# Allegro board FEE5_10_30.brd (continued)
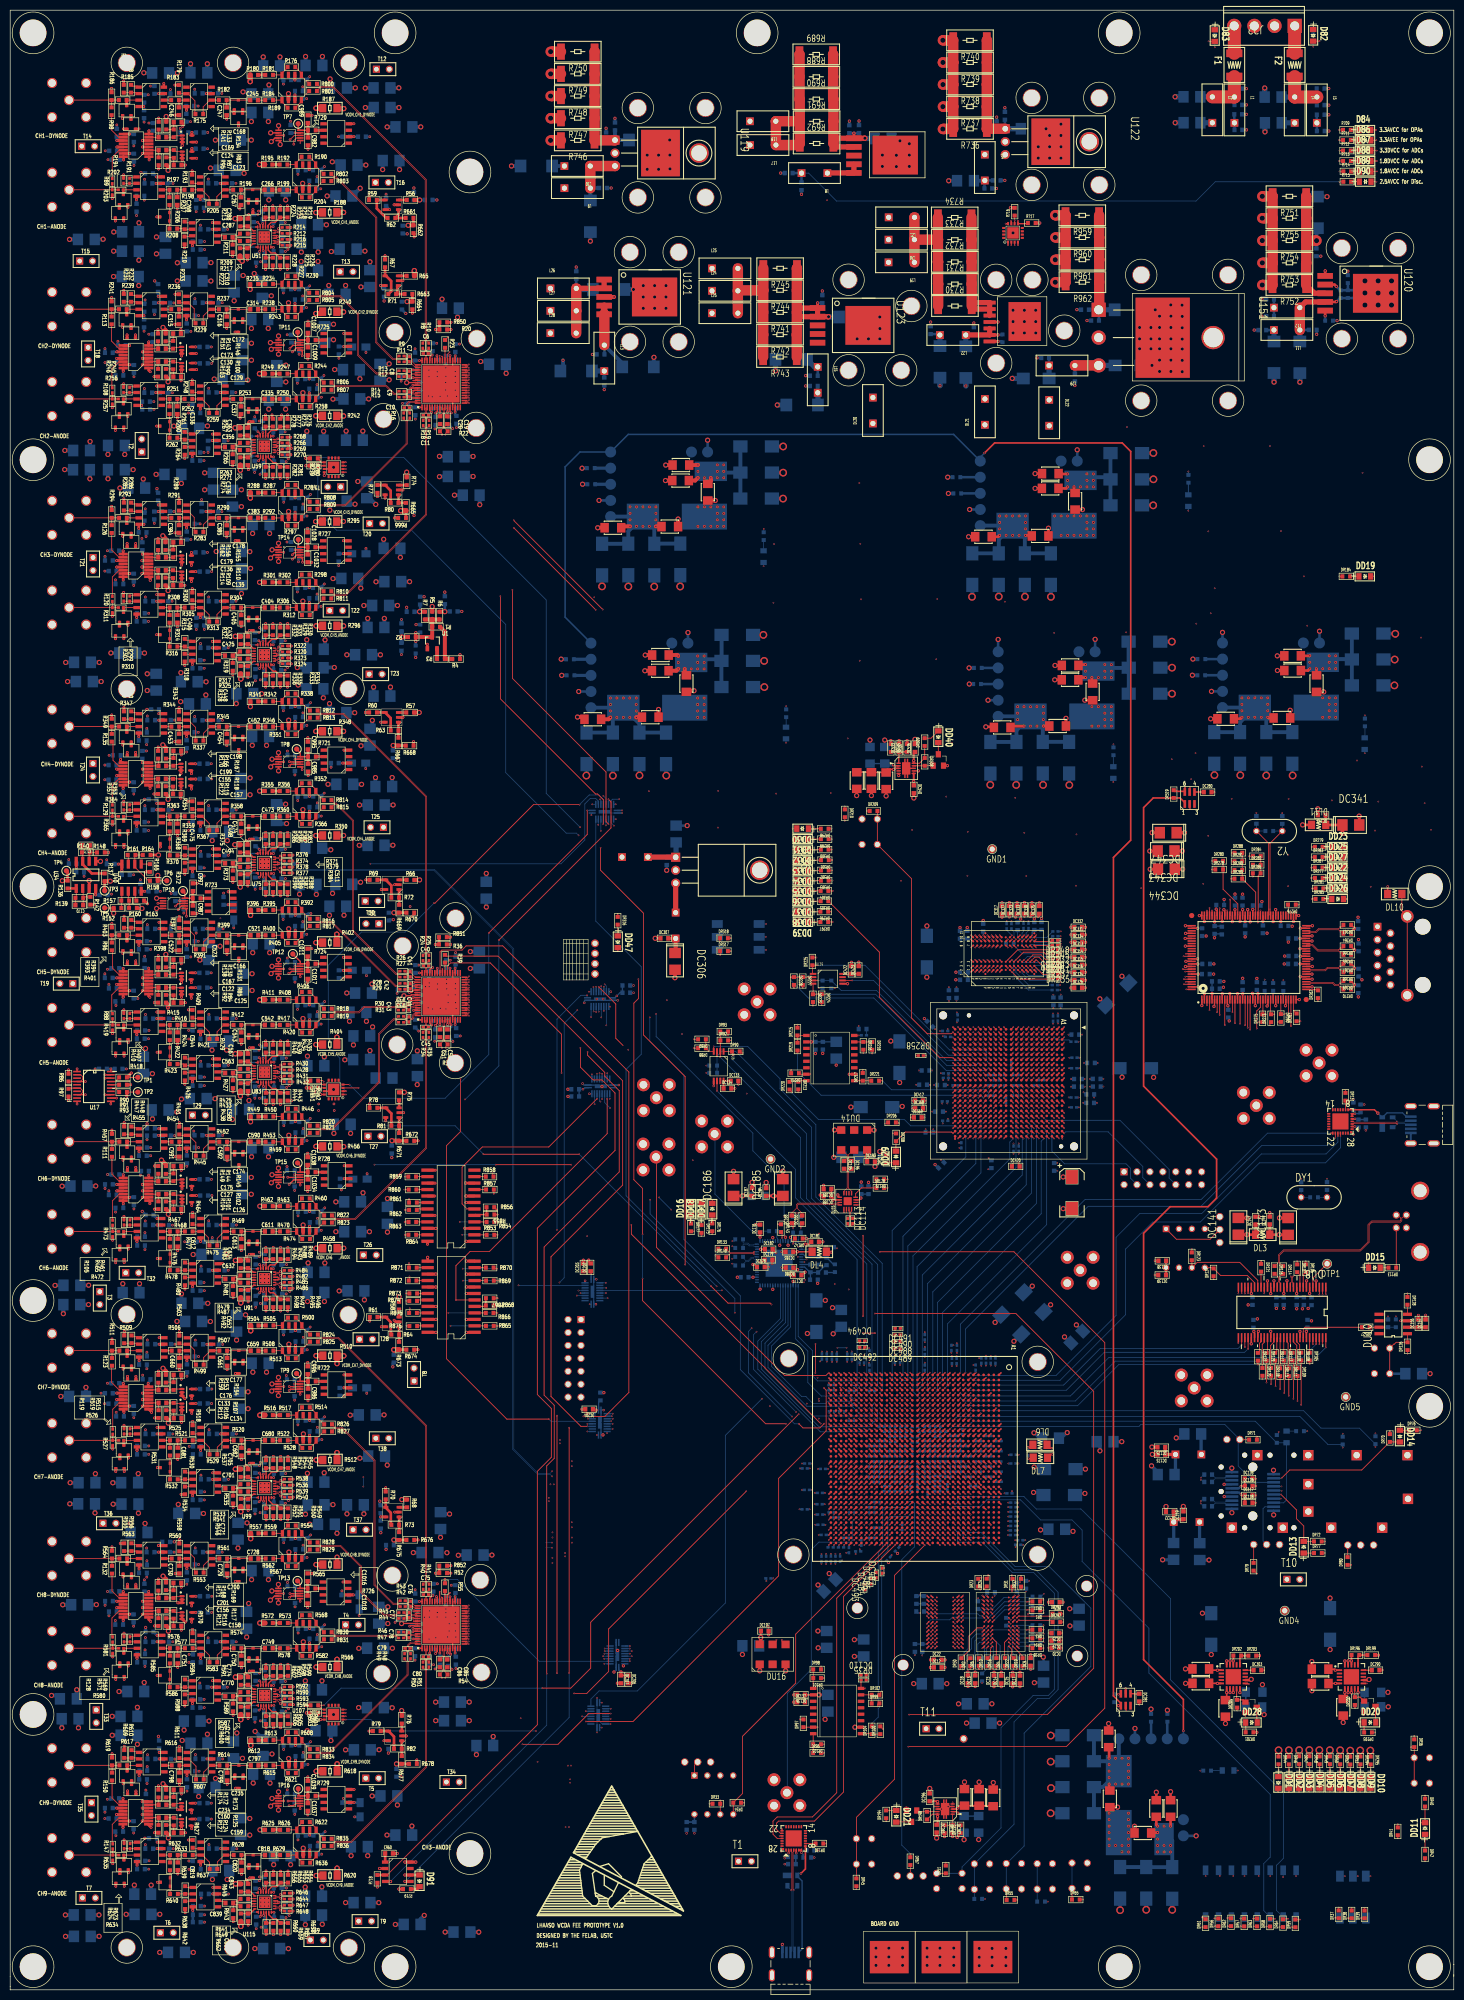
[diagram p0: board, top side]
## Routing (per net, layer and track width the routed paths; a pad name or vN(x,y) marks a point on that pad's centre or on a via; arc(x,y) is an arc through that point) (continued)
C205.1 ; C323.2 v3(32.17,331.24) ; C46.1 v3(86.03,193.86) ; DU26.7 v5(115.67,292.46) ; C571.2 v3(48.87,184.5) ; C792.2 v3(26.03,120.7) ; C1013.2 v3(64.58,320.37) ; C61.1 80.28,201.22 v3(80.29,201.22) ; C935.2 v8(116.7,314.22) ; C60.1 v3(82.33,197.71) ; C709.2 v3(38.16,96.2) ; C776.2 v3(38.1,57.04) ; C637.2 v3(48.95,143.96) ; C979.1 v3(31.61,215.3) ; C218.1 v3(18.61,34.87) ; C348.2 v3(35.04,309.63) ; C149.1 v3(39.63,155.96) ; C342.2 v3(39,314.49) ; C470.2 v3(26.8,244.5) ; C640.2 v3(38.09,138.89) ; C386.2 v3(37.6,292.61) ; C492.2 v3(27.17,227.66) ; C755.2 v3(38.88,69.11) ; C226.1 v3(27.25,366.57) ; C422.2 v3(27.21,270.31) ; C388.2 v3(57.51,291.76) ; C844.2 v3(48.97,21.42) ; C782.2 v3(49.12,52.81) ; C103.1 v3(85.92,69.29) ; C154.1 v3(39.62,77.29) ; C496.2 v3(37.43,223.57) ; C641.2 v3(38.15,137.29) ; C456.2 v3(36.24,250.03) ; C301.2 v3(54.03,347.04) ; v5(183.99,60.12) 183.79,60.12 183.79,60.12 DC11.2 ; C620.2 v3(56.54,151.98) ; C434.2 v3(49.12,257.23) ; C249.2 v3(41.59,372.39) ; C998.1 v3(55.94,197.87) ; C261.2 v3(35.43,366.83) ; v3(83.18,63.84) 82.35,63.84 C102.1 ; C737.2 v3(26.8,86.76) ; C62.1 v3(81.57,196.99) ; C229.1 v3(18.62,319.54) ; C322.2 v3(28.33,328.93) ; C270.2 v3(60.28,356.05) ; C756.2 v3(44.41,68.33) ; C689.2 v3(56.52,110.93) ; C633.2 v3(37.5,142.12) ; C295.2 v3(48.66,348.64) ; C765.2 v3(31.95,68.34) ; C614.2 v3(60.38,151.51) ; C263.2 v3(58.84,375.67) ; C1004.1 v3(56.75,321.16) ; C407.2 v3(60.28,274.08) ; C568.2 v3(38.16,179.22) ; C2.1 v3(76.87,269.09) ; C258.2 v3(26.3,366.75) ; C269.2 v3(61.02,353.65) ; C248.2 v3(36.25,373.22) ; C779.2 v3(48.09,52.56) ; DU30.7 v5(192.08,253.23) ; C486.2 v3(35.09,229.31) ; DU26.1 v5(137,304.29)
  BOTTOM w0.635: v5(112.44,295.65) 112.45,295.64 DR183.2 ; v5(229.07,108.38) 229.87,108.38 DC127.2 ; DC530.2 174.7,178.18 v5(174.72,178.15) ; v5(259.28,76.93) 259.28,76.93 DC288.2 ; v5(211.22,102.25) 211.21,102.24 DC91.2 ; DC120.2 v5(226.38,84.44) ; DR188.2 108.35,258.11 v5(108.35,258.11) ; DC192.2 170.82,164.61 v5(170.82,164.61) ; v5(224.2,102.89) 225.43,101.66 DC124.2 ; DC301.2 234.44,73.95 234.43,73.96 v5(234.2,73.96) ; v5(180.08,208.91) 180.07,208.9 DC388.2 ; 130.57,198.73 v5(130.57,198.73) ; DC88.2 218.34,107.62 v5(218.36,107.64) ; DC121.2 v5(235.49,84.4) ; DC199.2 143.84,65.85 v5(143.84,65.85) ; v5(165.14,173.33) 165.82,173.33 165.83,173.32 DC378.2 ; DC194.2 v5(161.79,163.48) ; v5(160.12,135.39) 160.11,135.38 DC30.2
  BOTTOM w0.762: C708.2 69.85,373.45 69.83,373.43 v5(69.75,373.43) ; v5(91.59,46.18) 91.59,46.45 91.58,46.45 C73.2 ; C783.1 53.88,315.73 53.88,315.73 v5(54.15,315.73) ; C501.2 23.67,91.37 23.67,91.37 v5(23.67,91.58) ; v5(17.5,260.65) 17.3,260.65 17.29,260.67 C742.1 ; v5(50.81,351.48) 50.81,351.69 50.82,351.69 C754.2 ; C739.2 v5(70.67,339.32) ; v5(113.97,343.37) 113.97,343.52 113.97,343.53 C919.2 ; v5(67.8,373.47) 67.6,373.47 67.58,373.45 C817.1 ; C607.1 69.27,305.93 69.28,305.94 v5(69.28,306.08) ; C573.2 68.93,224.73 68.93,224.73 v5(68.57,224.73) ; v4(194.2,273.57) 194.2,273.57 DC264.2 ; C806.2 19.21,301.77 19.2,301.75 v5(19.2,301.49) ; v4(188.94,273.54) 189,273.6 DC263.2 ; C547.2 65.45,312.36 63.42,312.36 v5(63.41,312.36) ; v5(90.39,200.56) 90.45,200.56 90.46,200.56 C72.2 ; v5(50.83,374.05) 50.83,372.41 C816.1 ; v4(121.43,275.55) 121.43,275.56 DC229.2 ; v5(47.06,33.65) 46.93,33.65 46.89,33.69 C490.2 ; C771.2 64.56,341.81 64.09,341.34 63.11,341.34 v5(63.09,341.34) ; C87.2 85.92,301.11 v5(84.32,301.11) ; C550.2 20.34,49.98 20.33,49.98 v5(20.04,49.98) ; v5(13.41,51.45) 13.41,51.62 13.42,51.64 C642.1 ; C484.1 55.07,24.65 55.09,24.64 v5(55.09,24.57) ; v4(151.82,292.82) 151.81,292.83 DC223.2 ; C631.1 66.69,291.72 v5(67.74,291.72) ; v5(68.48,67.05) 68.64,67.05 68.67,67.08 C108.2 ; v5(43.65,170.92) 43.65,172.85 C589.2 ; C526.2 v5(10.87,10.5) ; v5(45.42,291.24) 45.19,291.24 45.18,291.25 C615.2 ; C796.2 44.45,252.59 v5(44.42,252.56) ; C343.2 46.18,132.54 46.19,132.54 v5(46.24,132.54) ; C685.2 17.47,256.9 17.48,256.9 v5(17.88,256.9) ; DC268.2 v4(228.2,264.73) ; C507.1 70.86,47.15 v5(72.48,47.15) ; v5(71.1,38.06) 71.49,38.06 C636.2 ; C826.2 v5(32.83,335.55) ; v5(63.97,148.87) 64.11,148.87 64.12,148.87 C394.2 ; v5(92.42,319.75) 93.52,319.75 C106.2 ; C90.2 87.88,329.95 v5(87.88,328.43) ; C163.2 66.84,112.89 v5(66.8,112.85) ; v5(47.94,337.02) 47.97,336.99 48,336.99 49.45,335.54 C862.1 ; C583.2 39.71,21.88 39.73,21.86 v5(39.73,21.66) ; v5(74.44,316.14) 72.82,316.14 C74.2 ; v5(39.65,184.53) 39.65,184.63 39.64,184.64 C324.2 ; v5(33.64,174.9) 33.8,174.9 33.89,175 C529.2 ; DC249.2 145.93,255.81 v4(148.15,255.81) ; v5(8.81,138.32) 8.93,138.32 8.95,138.33 C842.2 ; v5(83.57,56.5) 83.82,56.5 83.82,56.51 C39.2 ; C909.2 57.95,60.48 57.97,60.5 v5(57.97,60.68) ; v5(79.19,85.85) 79.37,85.85 C16.2 ; v5(58.4,183.34) 58.4,183.33 C579.2 ; C444.2 69.57,271.83 69.57,271.82 v5(69.48,271.82) ; C793.1 50.68,326.47 50.69,326.47 v5(50.69,326.24) ; v5(54.66,8.08) 54.42,8.08 54.4,8.1 C366.1 ; C556.1 39.64,204.93 v5(41.23,204.93) ; C777.1 40.6,282.45 40.59,282.44 v5(40.47,282.44) ; v5(29.37,7.35) 29.43,7.35 29.43,7.35 C704.2 ; C400.1 47.15,196.23 47.16,196.24 v5(47.52,196.24) ; v5(28.73,340.88) 28.83,340.88 28.84,340.9 C457.2 ; v4(128.89,238.43) 128.83,238.48 DC253.2 ; C769.1 68.69,316.61 68.7,316.6 v5(68.7,316.36) ; C747.1 26.03,262.5 26.03,262.5 v5(26.38,262.5) ; DC211.2 271.96,261.23 v4(271.97,261.22) ; v5(72.73,262.15) 72.58,262.15 72.58,262.16 C466.1 ; C855.2 57.19,341.41 57.2,341.4 v5(57.2,341.22) ; C805.2 35.42,377.74 35.43,377.74 v5(35.43,378.2) ; v5(58.52,142.73) 58.52,140.96 C510.2 ; v5(58.34,50.87) 58.45,50.87 58.46,50.89 C428.2 ; C711.1 76.24,369.6 76.24,369.6 v5(76.37,369.6) ; C628.2 v5(33.53,258.64) ; C786.2 58.28,305.83 58.27,305.84 v5(58.27,306.05) ; v5(37.97,93.53) 37.81,93.53 37.79,93.55 C415.1 ; v5(71.06,197.51) 71.06,197.07 C562.1 ; C598.2 74.36,30.38 74.35,30.39 v5(74.01,30.39) ; C601.2 62.72,252.31 62.73,252.32 v5(62.73,252.56) ; C922.1 258.63,352.12 258.64,352.11 v5(258.68,352.11) ; DC216.2 251.87,238.5 v4(251.92,238.45) ; v5(25.19,93.6) 25.19,93.66 25.18,93.68 C334.1 ; DC233.2 v4(218.03,15.64) ; C520.1 61.72,135.21 61.73,135.21 v5(61.73,135.16) ; C493.1 25.4,138.51 25.4,138.52 v5(25.4,138.66) ; C392.2 71.38,255.63 71.39,255.64 v5(71.39,255.82) ; C679.1 16.73,75.61 16.75,75.64 v5(16.93,75.64) ; C670.2 47.55,244.63 47.56,244.62 v5(47.56,244.37) ; C38.2 80,184.29 79.98,184.31 v5(79.98,184.38) ; v5(71.81,291.68) 70.6,292.89 C691.1 ; C832.1 25.27,339.84 25.28,339.83 v5(25.28,339.64) ; C937.2 184.5,355.24 184.49,355.23 v5(184.36,355.23) ; DC258.2 224.56,296.59 v4(224.58,296.62) ; C504.1 67.59,217.49 68.59,217.49 v5(68.83,217.49) ; C916.2 129.43,363.22 129.44,363.24 v5(129.55,363.24) ; C972.2 v5(35.94,144.39) ; C714.1 43.98,331.72 43.99,331.71 v5(43.99,331.67) ; C736.2 57.17,339.08 57.17,339.08 v5(57.17,339.39) ; v5(74.19,71.92) 74.05,71.92 74.03,71.9 C37.2 ; v5(126.46,320.56) 126.46,320.42 126.43,320.39 C934.2 ; C460.2 v5(32.76,131.25) ; v5(57.17,348.38) 57.17,348.13 57.16,348.12 C865.2 ; DC214.2 246.75,238.46 v4(246.74,238.45) ; C648.2 57.91,224.26 v5(57.91,226.02) ; v4(123.62,238.46) 123.61,238.47 DC252.2 ; v5(75.22,232.66) 74.77,232.66 74.77,232.66 C622.1 ; DC274.2 228.22,259.61 v4(228.23,259.62) ; v4(204.38,34.67) 206.7,34.67 DC240.2 ; v5(24.39,20.56) 24.39,20.35 24.38,20.34 C375.2 ; v5(21.56,294.9) 21.88,294.9 21.89,294.89 C576.1 ; v5(47.67,121.28) 47.67,122.84 C319.2 ; C790.2 72.06,276.52 72.03,276.49 v5(71.86,276.49) ; C109.2 84.47,297.17 84.42,297.12 v5(84.33,297.12) ; C859.2 49.7,379.14 49.7,379.14 v5(49.7,379.55) ; v5(65.89,334.67) 65.89,334.47 65.88,334.46 C763.1 ; C379.1 17.26,14.71 17.27,14.71 v5(17.44,14.71) ; DC234.2 v4(223.16,15.72) ; DC230.2 131.64,275.59 v4(131.62,275.56) ; C447.1 69.31,155.12 v5(69.31,156.51) ; C517.1 49.63,49.23 v5(48.11,50.75) ; v5(44.75,86.74) 44.75,86.86 44.76,86.87 C355.1 ; v5(62.26,352.24) 62.57,352.24 62.57,352.24 C697.2 ; DC232.2 v4(228.27,15.71) ; v5(20.03,53.7) 20.37,53.7 20.39,53.69 C639.2 ; v4(118.39,238.41) 118.39,238.41 DC251.2 ; v5(92.04,11.33) 91.86,11.33 91.85,11.34 C610.1 ; v5(38.2,294.55) 38.3,294.55 38.34,294.58 C330.1 ; v5(83.59,52.86) 83.71,52.86 83.72,52.85 C52.2 ; DC212.2 v4(271.92,256.14) ; C604.1 50.94,286.2 50.96,286.17 v5(50.96,285.97) ; C570.1 54.09,310.65 54.11,310.63 v5(54.11,310.38) ; C478.2 10.39,157.84 10.35,157.81 v5(10.2,157.81) ; C559.2 66.68,190.42 66.65,190.39 v5(66.65,190.18) ; v5(27.95,171) 27.95,172.62 C619.2 ; v5(46.45,69.27) 46.45,69.32 46.43,69.34 C346.1 ; C852.1 25.3,346.61 25.3,346.62 v5(25.3,346.98) ; v5(58.38,101.43) 58.38,99.74 C451.2 ; v5(69.48,93.46) 69.48,93.59 69.48,93.6 C418.1 ; v5(74.1,148.78) 74.1,148.9 74.1,148.9 C325.2 ; C936.2 108.6,318.41 v8(108.6,319.98) ; C829.1 25.25,334.75 25.26,334.74 v5(25.26,334.65) ; v5(64.63,137.24) 64.9,137.24 64.91,137.25 C497.2 ; v5(33.78,48.97) 33.87,48.97 34.88,48.98 C128.2 ; C382.2 57.96,12.79 v5(57.98,12.78) ; v4(236.56,238.52) 236.52,238.56 DC217.2 ; v5(76.65,281.28) 76.65,281.46 76.65,281.47 C424.1 ; v5(65.57,211) 65.57,212.33 C403.1 ; C369.1 27.65,179.9 27.65,179.9 v5(27.94,179.9) ; v5(58.03,379.64) 58.03,379.5 58.02,379.49 C766.2 ; DC257.2 224.54,301.75 v4(224.56,301.78) ; C849.1 76.48,357.58 76.49,357.57 v5(76.49,357.42) ; v4(192.53,236.62) 192.55,236.64 DC279.2 ; v5(66.97,26.34) 66.97,26.47 66.94,26.5 C222.2 ; v4(272.09,266.27) 272.04,266.32 DC208.2 ; C340.2 20.41,99.59 20.39,99.57 v5(20.17,99.57) ; C977.2 59.03,91.42 59.02,91.43 v5(58.83,91.43) ; v5(16.66,93.65) 16.66,93.76 16.66,93.76 C435.1 ; v5(50.71,366.86) 50.71,367.03 50.7,367.03 C811.1 ; v4(148.12,260.95) 148.11,260.96 DC248.2 ; C846.2 74.27,365.8 74.27,365.8 v5(74.05,365.8) ; C835.2 10.35,116.52 10.34,116.52 v5(9.94,116.52) ; C760.1 69.59,358.32 69.59,358.32 v5(69.87,358.32) ; v5(47.74,40.59) 47.74,40.75 47.73,40.77 C564.2 ; v5(62.43,236.72) 62.64,236.72 62.64,236.71 C595.2 ; v5(68.68,104.4) 69.93,104.4 C1000.2 ; v5(10.7,298.51) 10.8,298.51 10.83,298.49 C688.2 ; C463.2 10.44,133.27 10.44,133.26 v5(10.44,132.77) ; DC220.2 v4(151.84,303.06) ; DC238.2 204.48,50 v4(204.41,49.93) ; v4(241.65,238.5) 241.6,238.54 DC215.2 ; v5(200.78,138.18) 199.56,136.96 DC31.2 ; C655.1 v5(39.06,52.78) ; v5(11.78,99.58) 12.04,99.58 12.05,99.57 C431.2 ; C349.1 46.55,114.11 46.56,114.11 v5(46.73,114.11) ; v4(208.05,236.58) 208.02,236.61 DC278.2 ; C537.1 71.19,187.77 v5(71.19,189.08) ; DC231.2 116.28,275.59 v4(116.27,275.58) ; v5(56.4,259.63) 58.23,259.63 C727.2 ; v5(58.01,93.39) 58.01,94.8 C441.2 ; v5(88.04,85.33) 88.27,85.33 88.31,85.37 C21.2 ; C438.1 v5(38.81,134.81) ; C412.2 54.08,232.82 54.08,232.82 v5(54.11,232.82) ; v5(98.48,358.13) 98.67,358.13 C920.2 ; v5(68.45,55.42) 68.67,55.42 68.68,55.41 C733.2 ; v5(50.97,203.65) 50.97,203.84 50.95,203.86 C673.1 ; C838.1 39.13,339.15 39.14,339.16 v5(39.44,339.16) ; C472.1 13.07,58.45 v5(13.07,58.92) ; C658.2 56.84,217.02 v5(56.84,215.14) ; C55.2 93.52,212.7 93.53,212.69 v5(93.53,212.61) ; v5(87.27,293.5) 87.44,293.5 87.45,293.49 C107.2 ; v5(47.36,159.53) 47.17,159.53 47.17,159.54 C409.2 ; v5(47.42,80.54) 47.42,80.7 47.42,80.7 C361.2 ; v4(204.46,39.62) 206.52,39.62 DC241.2 ; v4(204.39,44.8) 206.61,44.8 DC239.2 ; C481.2 46.95,237.97 46.95,237.97 v5(47.12,237.97) ; C397.1 80.61,13.89 v5(81.34,14.61) ; v5(22.79,14.82) 22.91,14.82 22.92,14.81 C362.2 ; v5(66.87,168.18) 66.87,168.28 66.88,168.29 C471.1 ; DC247.2 v4(147.96,266.06) ; C823.2 62.11,327.06 v5(63.52,327.06) ; v5(65.72,182.62) 65.87,182.62 65.91,182.66 C532.2 ; C700.1 v5(38.44,254.27) ; v5(38.76,307.09) 37.58,307.09 37.11,306.62 C541.1 ; v5(47.23,279.12) 47,279.12 46.99,279.13 C780.2 ; DC250.2 113.23,238.48 v4(113.19,238.44) ; v5(204.38,134.52) 203,133.13 DC32.2 ; C372.2 57.95,18.38 v5(57.95,20.18) ; v5(37.02,37.96) 37.02,37.96 C421.2 ; DC275.2 v4(228.23,254.51) ; v4(126.52,275.54) 126.53,275.55 DC226.2 ; C625.1 27,255.13 26.99,255.13 v5(26.92,255.13) ; v5(71.14,249.28) 71.14,249.17 71.15,249.17 71.15,248.09 C724.1 ; v5(47.4,319.99) 47.16,319.99 47.15,319.99 C645.1 ; DC277.2 197.67,236.64 v4(197.62,236.59) ; DC222.2 151.83,297.93 v4(151.84,297.91) ; v5(58.25,265.1) 58.29,265.07 C717.2 ; C259.1 v5(72.41,17.12) ; v4(199.33,273.56) 199.33,273.57 199.32,273.58 DC265.2 ; v5(10.74,302.28) 11.12,302.28 11.13,302.26 C667.2 ; v5(71.76,238.04) 71.76,237.87 71.73,237.84 C720.2 ; C694.1 23.87,298.5 23.88,298.51 v5(24.16,298.51) ; v5(44.52,50.43) 44.52,49.44 C352.2 ; v4(204.44,273.54) 204.43,273.54 DC266.2 ; DC276.2 202.85,236.65 v4(202.9,236.6) ; v5(46.69,316.09) 45.23,316.09 C333.1 ; DC262.2 v4(224.53,291.5) ; C487.1 73.51,269.21 73.5,269.23 v5(73.5,269.3) ; v5(42.65,225.66) 42.65,227.09 C553.1 ; v5(33.63,295.8) 33.63,295.94 33.62,295.94 C748.1 ; C393.2 40.56,357.73 39.67,357.73 v5(39.34,357.73) ; v5(50.75,163.58) 50.75,163.68 50.74,163.69 C540.1 ; v5(47.37,363.22) 47.35,363.24 C676.1 ; C808.2 26.41,376.41 26.38,376.44 v5(26.25,376.44) ; C651.2 v5(21.38,58.58) ; C71.2 v5(84.53,88.83) ; v5(11.65,343.72) 12,343.72 12.01,343.72 C757.2 ; v5(61.51,253.7) 61.51,253.82 61.52,253.83 C664.2 ; v5(63.41,277.12) 63.62,277.12 63.65,277.15 C514.2
  BOTTOM w1.016: C1101.2 224.78,329.89 224.78,329.89 v5(224.94,329.89) ; v5(228.84,371.72) 229.05,371.72 229.06,371.72 C884.2 ; C899.1 246.48,364.98 246.49,364.97 v5(246.49,364.83) ; v5(150.69,311.2) 150.76,311.2 150.77,311.21 C946.2 ; C943.2 150.33,317.91 v5(150.34,317.9) ; C930.2 122.28,333.88 122.29,333.89 v5(122.44,333.89) ; C887.2 228.96,366.63 228.95,366.64 v5(228.86,366.64) ; C924.1 253.35,315.84 253.35,315.84 v5(253.35,315.68) ; v5(246.43,373.44) 246.43,373.26 246.44,373.25 C896.1 ; v5(170.82,328.47) 170.55,328.47 C942.2 ; C926.1 248.27,315.83 248.27,315.82 v5(248.27,315.7) ; v5(203.48,365.44) 203.33,365.44 203.32,365.45 C931.2 ; C1105.2 197.04,316.41 197.03,316.42 v5(196.85,316.42) ; C1104.2 v5(224.29,318.97) ; v5(174.79,363.08) 173.6,363.08 C912.2
  vias: v1(218.35,27.14) v3(81.38,73.16) v3(82.27,316.78) v3(82.31,196.99) v3(82.35,73.18) v3(83.89,316.79) v3(83.88,73.2) v3(83.92,196.51) v3(85.59,316.82) v3(85.59,74.06) v3(85.57,73.19) v3(85.72,198.44) v3(85.73,197.57) v3(85.75,196.55) v3(87.4,71.9) v3(87.43,316.82) v3(87.44,315.63) v3(87.44,314.1) v3(87.44,196.57) v3(87.44,195.37) v3(87.49,193.84) v3(87.44,73.29) v3(87.46,70.47) v5(124.37,334.64) v5(124.37,332.41) v5(124.37,330.19) v5(125.14,360.26) v5(125.14,357.48) v5(126.59,334.64) v5(126.59,332.41) v5(126.59,330.19) v5(127.37,360.26) v5(127.37,357.48) v5(128.82,334.64) v5(128.82,332.41) v5(128.82,330.19) v5(129.59,360.28) v5(129.61,357.56) v5(166.37,324.19) v5(168.6,324.19) v5(170.07,8.19) v5(170.07,6.45) v5(170.07,4.8) v5(170.85,326.2) v5(170.83,324.19) v5(171.33,360.27) v5(171.33,358.05) v5(172.6,8.19) v5(172.6,6.45) v5(172.6,4.8) v5(174.08,360.24) v5(174.08,358.01) v5(175.31,8.19) v5(175.31,6.45) v5(175.31,4.8) v5(176.63,362.5) v5(176.63,360.27) v5(176.63,358.05) v5(180.12,8.19) v5(180.12,6.45) v5(180.12,4.8) v5(182.64,8.19) v5(182.64,6.45) v5(182.64,4.8) v5(185.35,8.19) v5(185.35,6.45) v5(185.35,4.8) v5(190.36,8.13) v5(190.36,6.39) v5(190.36,4.75) v5(192.88,8.13) v5(192.88,6.39) v5(192.88,4.75) v5(195.59,8.13) v5(195.59,6.39) v5(195.59,4.75) v5(197,344.99) v5(197,329.8) v5(197,327.58) v5(197,325.35) v5(199.23,329.8) v5(199.23,327.58) v5(199.23,325.35) v5(201.46,329.8) v5(201.46,327.58) v5(201.46,325.35) v5(201.96,361.91) v5(201.96,359.68) v5(204.19,364.13) v5(204.19,361.91) v5(204.19,359.68) v5(206.41,366.35) v5(206.41,364.13) v5(206.41,361.91) v5(206.41,359.68) v5(221.86,326.41) v5(221.86,324.19) v5(221.86,322.24) v5(224.09,326.41) v5(224.09,324.19) v5(224.09,322.24) v5(225.78,328.64) v5(225.78,326.41) v5(225.78,324.19) v5(225.78,322.24) v5(225.78,320.01) v5(225.78,317.79) v5(227.98,330.86) v5(228.01,328.64) v5(228.01,326.41) v5(228.01,324.19) v5(228.01,322.24) v5(228.01,320.01) v5(228.01,317.79) v5(230.21,330.81) v5(230.24,328.6) v5(230.24,326.37) v5(230.24,324.14) v5(230.24,322.19) v5(230.24,319.97) v5(230.24,317.74) v6(116.25,177.37) v6(119.32,66.64) v7(135.1,291.19) v7(135.1,287.38) v7(135.05,253.66) v7(135.05,252.39) v7(135.05,251.12) v7(135.05,249.85) v7(136.37,291.19) v7(136.37,287.38) v7(136.32,253.66) v7(136.32,252.39) v7(136.32,251.12) v7(136.32,249.85) v7(137.64,291.19) v7(137.64,287.38) v7(138.91,291.19) v7(138.91,289.92) v7(138.91,288.65) v7(138.91,287.38) v7(140.18,291.19) v7(140.18,289.92) v7(140.18,288.65) v7(140.18,287.38) v7(205.17,289.41) v7(206.44,289.41) v7(206.44,285.6) v7(207.71,289.41) v7(207.71,285.6) v7(208.98,289.41) v7(208.98,285.6) v7(210.25,289.41) v7(210.25,285.6) v7(211.52,289.41) v7(211.52,288.14) v7(211.52,286.87) v7(211.52,285.6) v7(212.49,251.96) v7(212.49,248.15) v7(212.79,289.41) v7(212.79,288.14) v7(212.79,286.87) v7(212.79,285.6) v7(213.76,251.96) v7(213.76,248.15) v7(215.03,251.96) v7(215.03,250.69) v7(215.03,249.42) v7(215.03,248.15) v7(215.87,34.68) v7(215.87,33.41) v7(215.87,32.14) v7(215.87,30.87) v7(215.87,29.6) v7(215.87,28.33) v7(216.3,251.96) v7(216.3,250.69) v7(216.3,249.42) v7(216.3,248.15) v7(217.14,28.33) v7(218.41,28.33) v7(218.41,27.06) v7(219.68,34.68) v7(219.68,33.41) v7(219.68,32.14) v7(219.68,30.87) v7(219.68,29.6) v7(219.68,28.33) v7(219.68,27.06) v7(257.83,253.69) v7(257.83,249.88) v7(259.1,253.69) v7(259.1,252.42) v7(259.1,251.15) v7(259.1,249.88) v7(260.37,253.69) v7(260.37,252.42) v7(260.37,251.15) v7(260.37,249.88)
